# Altium PCB ArmMainControler.PcbDoc (part 1 of 2) (continued)
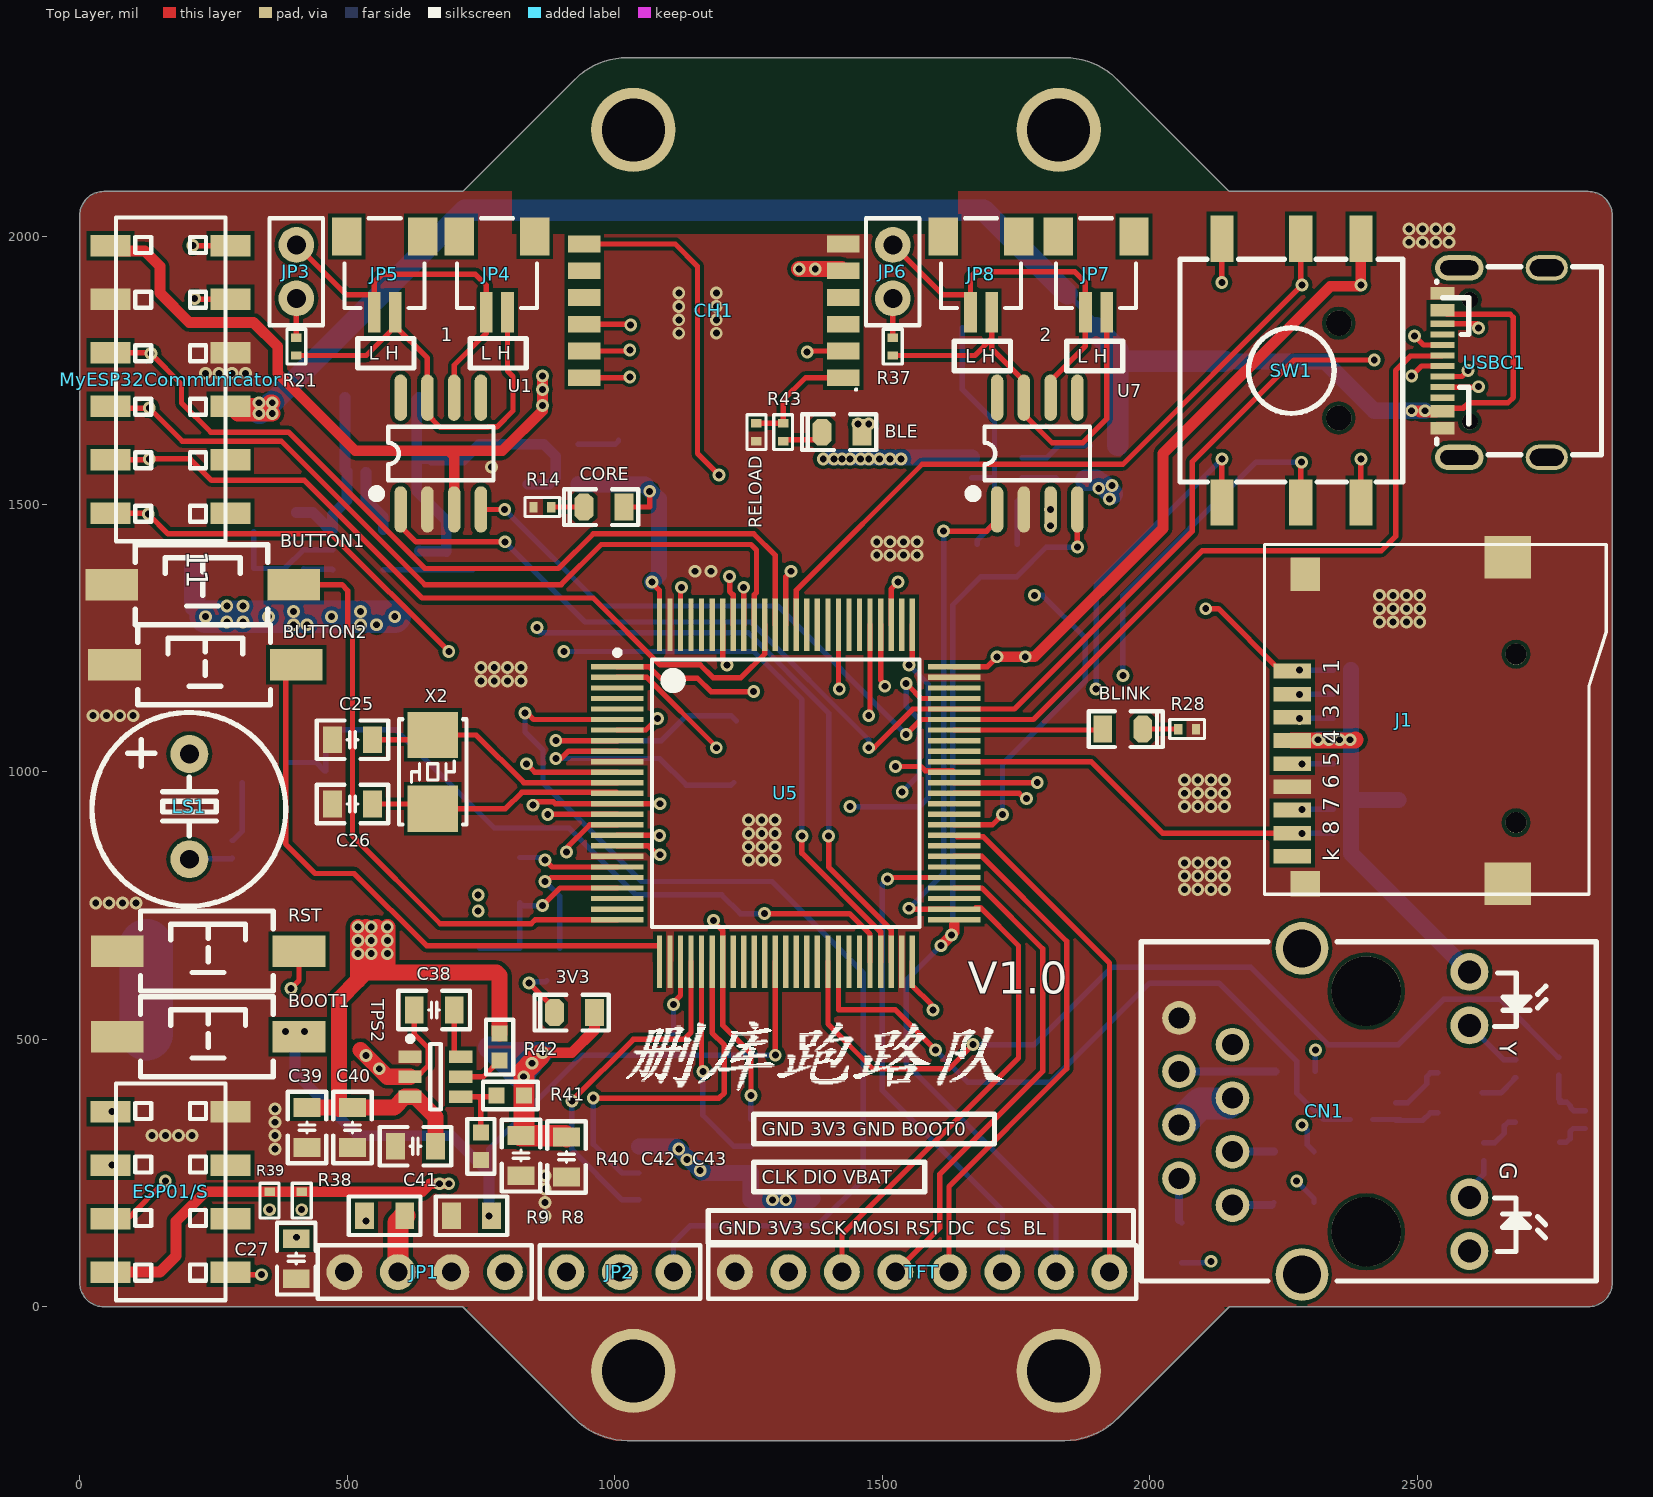
[diagram p0: Top Layer view]
## Components (designator, comment, footprint, x,y, rotation, side; value= is the part's Value field where it differs from the comment) (continued)
BLINK "BLINK" LED0805_G 1950,1080 r0 top (schematic designator LED1)
BOOT1 "3x6x5" "SW SMD-3*6*4.3" 240,505 r0 top
BUTTON1 "3x6x5" "SW SMD-3*6*4.3" 230,1350 r0 top (schematic designator SW2)
BUTTON2 "3x6x5" "SW SMD-3*6*4.3" 235,1200 r0 top (schematic designator SW3)
C1 "0.1uF" C0805_L 1370,240 r90 bottom
C2 "100uF" C1206_L 353,1232.91 r90 bottom
C3 "100uF" C1206_L 235,1232.91 r90 bottom
C4 "100uF" C1206_L 589,1232.91 r90 bottom
C5 "100uF" C1206_L 471,1232.91 r90 bottom
C6 "100pF" C0402_L 635,1395 r90 bottom
C7 "0.1uF" C0402_L 517.29,1560 r0 bottom
C8 "0.1uF" C0402_L 517.72,1510 r0 bottom
C9 "0.1uF" C0402_L 715,1565 r270 bottom
C10 "10uF" C0402_L 660,1565 r90 bottom
C11 "10uF/50V" C0603_L 325,1475 r270 bottom
C16 "0.1uF" C0805_L 795,1110 r180 bottom
C17 "0.1uF" C0805_L 795,1015 r180 bottom
C18 "0.1uF" C0805_L 710,670 r180 bottom
C19 "0.1uF" C0805_L 1070,510 r180 bottom
C20 "0.1uF" C0805_L 1635,550 r0 bottom
C21 "0.1uF" C0805_L 1805,1215 r0 bottom
C22 "0.1uF" C0805_L 1120,1425 r0 bottom
C23 "10pF" C0805_L 1265,1100 r180 bottom
C24 "10pF" C0805_L 1260,980 r180 bottom
C25 "10pF" C0805_L 510,1060 r0 top
C26 "10pF" C0805_L 510,940 r0 top
C27 "0.1uF" C0805_L 405,90 r90 top
C28 "0.1uF" C0402_L 1005,1555 r270 bottom
C29 "10uF" C0402_L 1055,1555 r270 bottom
C30 "10nF" C0402_L 1025,1620 r180 bottom
C31 "10uF" C0805_L 1405,1550 r90 bottom
C32 "10uF" C0805_L 1485,1550 r90 bottom
C33 "0.1uF" C0805_L 1565,1550 r90 bottom
C34 "0.1uF" C0805_L 1715,1425 r0 bottom
C35 "22uF" C0805_L 2140,1730 r270 bottom
C36 "22uF" C0805_L 2050,1730 r270 bottom
C37 "0.1uF" C0805_L 2465,910 r270 bottom
C38 "0.1uF" C0805_L 662.6,555 r0 top
C39 "10uF" C0805_L 425,335 r90 top
C40 "10uF" C0805_L 510,335 r90 top
C41 "0.1uF" C0805_L 627.6,300 r0 top
C42 "22uF" C0805_L 825,282.6 r270 top
C43 "22uF" C0805_L 910,280 r270 top
CH1 "CH9141-BLE-TPT-B" CH9141-BLE 1185,1861.76 r180 top
CN1 "HR911105A" RJ8-HR911105A 2326.46,365.2 r270 top
CORE "红色" LED0805_G 980,1495 r180 top
D1 "SS54" SMA 215,675 r0 bottom
D2 "SMBJ28CA" SMB 560,810 r180 bottom
D3 "二极管-5819W" SOD-323 405,1540 r270 bottom
D4 "二极管-5819W" SOD-323 270,1380 r0 bottom
ESP01/S "Header 4X2" HDR2.54-M-LS-2x4P 170,215 r90 top
J1 "TF_Card" "Micro SD" 2685,1062.52 r90 top
JP1 "HDR-1X4" HDR2.54-LI-4P 645,65 r180 top
JP2 "HDR-1X3" HDR2.54-LI-3P 1010,65 r180 top
JP3 "HDR-1X2" HDR2.54-LI-2P 405,1935 r90 top
JP4 "CON-2P" SH1.0-WT-2P 780,1930 r180 top
JP5 "CON-2P" SH1.0-WT-2P 570,1930 r180 top
JP6 "HDR-1X2" HDR2.54-LI-2P 1520,1935 r90 top
JP7 "CON-2P" SH1.0-WT-2P 1900,1930 r180 top
JP8 "CON-2P" SH1.0-WT-2P 1685,1930 r180 top
L1 "6.8uH" L-SMD-0420 565,1700 r0 bottom
L2 "3.3uH" L-SMD-0630 1775,1830 r0 bottom
L3 "2.2uH" L-SMD-0630 640,485 r0 bottom
LS1 "DC5V" "BEEP 5x9x5.5" 205,935 r180 top
MyESP32Communicator "Header 6X2" HDR2.54-M-LS-2x6P 170,1733.61 r270 top
Q1 "SS8050" SOT23-3N 2725,345 r180 bottom
Q2 "SS8050" SOT23-3N 2580,400 r0 bottom
Q3 "SS8050" SOT23-3N 345,980 r180 bottom
R1 "10K" R0402_L 685,1395 r90 bottom
R2 "1.8K" R0402_L 735,1395 r270 bottom
R3 "1M" R0402_L 401.73,1380 r180 bottom
R4 "1K" R0402_L 890,610 r180 bottom
R5 "0R" R0805_L 785,840 r0 bottom
R6 "0R" R0805_L 860,670 r180 bottom
R7 "0R" R0805_L 785,755 r0 bottom
R8 "10K" R0805_L 732.4,170 r0 top
R9 "10K" R0805_L 570,170 r0 top
R10 "0R" R0805_L 2270,195 r180 bottom
R11 "0R" R0805_L 2060,120 r90 bottom
R12 "0R" R0805_L 2270,290 r180 bottom
R13 "0R" R0805_L 2272.4,440 r180 bottom
R14 "1K" R0402_L 865,1495 r0 top
R15 "1K" R0402_L 2625,290 r90 bottom
R16 "1K" R0402_L 2685,445 r90 bottom
R17 "100K" R0402_L 2815,350 r90 bottom
R18 "100K" R0402_L 2460,365 r270 bottom
R19 "1K" R0402_L 2765,450 r270 bottom
R20 "1K" R0402_L 2400,350 r0 bottom
R21 "120R" R0402_L 405,1795 r90 top
R22 "1K" R0402_L 460,1061.73 r270 bottom
R23 "1K" R0402_L 285,855 r270 bottom
R24 "100K" R0402_L 460,985 r90 bottom
R25 "10K" R0603_L 1830,1635 r270 bottom
R26 "54.9K" R0603_L 1915,1610 r180 bottom
R27 "10K" R0603_L 1855,1545 r0 bottom
R28 "1K" R0402_L 2070,1080 r0 top
R29 "10K" R0402_L 2360,1190 r0 bottom
R30 "10K" R0402_L 2360,1145 r0 bottom
R31 "10K" R0402_L 2360,1100 r0 bottom
R32 "10K" R0402_L 2360,1015 r0 bottom
R33 "10K" R0402_L 2360,930 r0 bottom
R34 "10K" R0402_L 2360,885 r0 bottom
R35 "5.1K" R0402_L 2640,1835 r0 bottom
R36 "5.1K" R0402_L 2635,1720 r180 bottom
R37 "120R" R0402_L 1520,1795 r90 top
R38 "10K" R0402_L 415,198.27 r270 top
R39 "10K" R0402_L 355,198.27 r270 top
R40 "10K" R0603_L 750,300 r90 top
R41 "33.2K" R0603_L 805,395 r180 top
R42 "10K" R0603_L 785,485.59 r90 top
R43 "1K" R0402_L 1315,1635 r270 top
RELOAD "0" R0402_L 1265,1635 r90 top (schematic designator JP(NC))
RST "3x6x5" "SW SMD-3*6*4.3" 240,665 r0 top
SW1 "5KEY" "SW 10x10x9-5Key-LS" 2265,1750 r270 top
TFT "HDR-1X8" HDR2.54-M-LI-8P 1575,65 r180 top
TPS1 "TPS563201" SOT23-6N 1715,1550 r0 bottom
TPS2 "TPS563201" SOT23-6N 665,430 r0 top
U1 "SN65HVD232D" SOIC-8 675,1595 r90 top
U2 "W25Q128" SOIC-8 1150,275 r0 bottom
U3 "ME3116" SOT23-6 520,1415 r180 bottom
U5 "CH32V307V" LQFP100 1320,960 r0 top
U6 "LP2992" SOT23-5 885,1575 r0 bottom
U7 "SN65HVD232D" SOIC-8 1790,1595 r90 top
USBC1 "TYPE-C 2.0 -16P" USB-C-SMD_TYPE-C-USB-5 2645,1765 r90 top
X1 "32.768KHz 12.5pF" XTAL-3215-2P 1140,1040 r90 bottom
X2 "8MHz" XTAL-5032-2P 660,1000 r90 top

## Footprints (in the part's own frame and the unit in brackets; to place one, negate y for a bottom-side part, rotate by r counter-clockwise, add the part's x,y. Pads: shape width x height; smd on the part's side, far side on the other; paste and mask are expansions set on the pad)
"BEEP 5x9x5.5" [mm] "5*9*5.5mm(脚距,直径,高度)        淘宝ID:黄晶宝石"
  round 1.8 hole 0.9: 1(0,-2.5) 2(0,2.5)
  silkscreen extent -4.58,-4.47 4.62,4.72, body extent -4.5,-4.5 4.5,4.5, height 5.45
C0402_L [mm] "贴片MLCC电容"
  rect 0.4x0.5 smd: 1(-0.45,0) 2(0.45,0)
  silkscreen extent -0.85,-0.45 0.85,0.45, body extent -0.5,-0.26 0.5,0.26, height 0.54
C0603_L [mil] "贴片MLCC电容"
  rect 30x30 smd: 1(-25.59,0) 2(25.59,0)
  silkscreen extent -51,-26 51,26, body extent -31,-16 31,16, height 33
C0805_L [mil] "贴片MLCC电容"
  rect 35x50 smd: 1(-37.4,0) 2(37.4,0)
  silkscreen extent -67,-36 67,36, body extent -39,-24 39,24, height 22
C1206_L [mil] "贴片MLCC电容"
  rect 55x62 smd: 1(-55.12,0) 2(57.09,0)
  silkscreen extent -96,-44 98,44, body extent -63,-32 63,32, height 50
CH9141-BLE [mm] "Chip Array, Flat, 12-Leads, Pitch 1.27mm,  Body 9.07x12.84mm,  IPC Medium Density"
  rect 1.55x0.8 smd: 1(-6.15,3.175) 2(-6.15,1.905) 3(-6.15,0.635) 4(-6.15,-0.635) 5(-6.15,-1.905) 6(-6.15,-3.175) 7(6.15,-3.175) 8(6.15,-1.905) 9(6.15,-0.635) 10(6.15,0.635) 11(6.15,1.905) 12(6.15,3.175)
  silkscreen extent -6.81,3.69 -6.71,3.79, body extent -6.47,-4.53 6.47,4.53, height 0.85
HDR2.54-LI-2P [mm] "排针，2脚                         联系卖家 免费查找封装"
  round 1.7 hole 0.9: 1(-1.27,0) 2(1.27,0)
  silkscreen extent -2.54,-1.27 2.54,1.27, body extent -2.54,-1.27 2.54,1.27, height 2.54
HDR2.54-LI-3P [mm] "排针，3脚                        联系卖家 免费查找封装"
  round 1.7 hole 0.9: 1(-2.54,0) 2(0,0) 3(2.54,0)
  silkscreen extent -3.81,-1.27 3.81,1.27, body extent -3.81,-1.27 3.81,1.27, height 2.54
HDR2.54-LI-4P [mm] "排针，4脚"
  round 1.7 hole 0.9: 1(-3.81,0) 2(-1.27,0) 3(1.27,0) 4(3.81,0)
  silkscreen extent -5.08,-1.27 5.08,1.27, body extent -5.08,-1.27 5.08,1.27, height 2.54
HDR2.54-M-LI-8P [mm] "排母，8脚"
  round 1.7 hole 0.9: 1(-8.89,0) 2(-6.35,0) 3(-3.81,0) 4(-1.27,0) 5(1.27,0) 6(3.81,0) 7(6.35,0) 8(8.89,0)
  silkscreen extent -10.16,-1.27 10.16,1.27, body extent -10.16,-1.27 10.16,1.27, height 8.5
HDR2.54-M-LS-2x4P [mm] "脚距：2.54mm，贴片双排母"
  rect 1.02x1.9 smd: 1(-3.81,2.85) 2(-3.81,-2.85) 3(-1.27,2.85) 4(-1.27,-2.85) 5(1.27,2.85) 6(1.27,-2.85) 7(3.81,2.85) 8(3.81,-2.85)
  silkscreen extent -5.15,-2.6 5.14,2.6, body extent -5.11,-3.2 5.11,3.2, height 5.15
HDR2.54-M-LS-2x6P [mm] "脚距：2.54mm，贴片双排母"
  rect 1.02x1.9 smd: 1(-6.35,2.85) 2(-6.35,-2.85) 3(-3.81,2.85) 4(-3.81,-2.85) 5(-1.27,2.85) 6(-1.27,-2.85) 7(1.27,2.85) 8(1.27,-2.85) 9(3.81,2.85) 10(3.81,-2.85) 11(6.35,2.85) 12(6.35,-2.85)
  silkscreen extent -7.69,-2.6 7.68,2.6, body extent -7.65,-3.2 7.65,3.2, height 5.15
L-SMD-0420 [mm] "一体化成型电感                联系卖家 免费查找封装"
  rect 1.5x2.5 smd: 1(-1.75,0) 2(1.75,0)
  silkscreen extent -2.16,-2.16 2.16,2.16, body extent -2.25,-2.05 2.25,2.05
L-SMD-0630 [mm] "一体化成型电感"
  rect 3x3.5 smd: 1(-3.175,0) 2(3.175,0)
  silkscreen extent -3.66,-3.48 3.66,3.48, body extent -3.47,-3.3 3.48,3.3
LED0805_G [mil] "绿色0805LED            联系卖家 免费查找封装"
  rect 35x50 smd: 1(-37.4,0)
  oct 35x50 smd: 2(37.4,0)
  silkscreen extent -64,-33 75,33, body extent -39,-25 39,25, height 32
LQFP100 [mm] "TSQFP, 100-Leads, Body 16.0x16.0mm (max), Pitch 0.50mm, IPC Medium Density"
  rect 2.5x0.254 smd: 1(-8,6) 2(-8,5.5) 3(-8,5) 4(-8,4.5) 5(-8,4) 6(-8,3.5) 7(-8,3) 8(-8,2.5) 9(-8,2) 10(-8,1.5) 11(-8,1) 12(-8,0.5) 13(-8,0) 14(-8,-0.5) 15(-8,-1) 16(-8,-1.5) 17(-8,-2) 18(-8,-2.5) 19(-8,-3) 20(-8,-3.5) 21(-8,-4) 22(-8,-4.5) 23(-8,-5) 24(-8,-5.5) 25(-8,-6) 51(8,-6) 52(8,-5.5) 53(8,-5) 54(8,-4.5) 55(8,-4) 56(8,-3.5) 57(8,-3) 58(8,-2.5) 59(8,-2) 60(8,-1.5) 61(8,-1) 62(8,-0.5) 63(8,0) 64(8,0.5) 65(8,1) 66(8,1.5) 67(8,2) 68(8,2.5) 69(8,3) 70(8,3.5) 71(8,4) 72(8,4.5) 73(8,5) 74(8,5.5) 75(8,6)
  rect 0.254x2.5 smd: 26(-6,-8) 27(-5.5,-8) 28(-5,-8) 29(-4.5,-8) 30(-4,-8) 31(-3.5,-8) 32(-3,-8) 33(-2.5,-8) 34(-2,-8) 35(-1.5,-8) 36(-1,-8) 37(-0.5,-8) 38(0,-8) 39(0.5,-8) 40(1,-8) 41(1.5,-8) 42(2,-8) 43(2.5,-8) 44(3,-8) 45(3.5,-8) 46(4,-8) 47(4.5,-8) 48(5,-8) 49(5.5,-8) 50(6,-8) 76(6,8) 77(5.5,8) 78(5,8) 79(4.5,8) 80(4,8) 81(3.5,8) 82(3,8) 83(2.5,8) 84(2,8) 85(1.5,8) 86(1,8) 87(0.5,8) 88(0,8) 89(-0.5,8) 90(-1,8) 91(-1.5,8) 92(-2,8) 93(-2.5,8) 94(-3,8) 95(-3.5,8) 96(-4,8) 97(-4.5,8) 98(-5,8) 99(-5.5,8) 100(-6,8)
  silkscreen extent -8.12,-6.35 6.35,6.8
"Micro SD" [mm] "淘宝ID:黄晶宝石"
  round 1 hole 1 unplated: 0(-4,0) 0(4,0)
  rect 0.7x1.8 smd: 1(3.2,10.627) 2(2.1,10.627) 3(1,10.627) 4(-0.1,10.627) 5(-1.2,10.627) 6(-2.3,10.627) 7(-3.4,10.627) 8(-4.5,10.627) 9(-5.6,10.627)
  rect 2.032x2.2 smd: 10(-6.9,0.4) 10(8.6,0.4)
  rect 1.2x1.4 smd: 10(-6.9,10)
  rect 1.6x1.4 smd: 10(7.8,10)
  silkscreen extent -7.4,-4.28 9.2,11.94, body extent -7.05,-3.87 8.95,11.38, height 2
R0402_L [mm] "1/16W贴片电阻"
  rect 0.4x0.5 smd: 1(-0.425,0) 2(0.425,0)
  silkscreen extent -0.82,-0.45 0.83,0.45, body extent -0.5,-0.25 0.5,0.25, height 0.3
R0603_L [mil] "1/10W贴片电阻"
  rect 30x30 smd: 1(-25.59,0) 2(25.59,0)
  silkscreen extent -51,-26 51,26, body extent -31,-16 31,16, height 16
R0805_L [mil] "1/8W贴片电阻"
  rect 35x50 smd: 1(-37.4,0) 2(37.4,0)
  silkscreen extent -67,-36 67,36, body extent -39,-25 39,25, height 20
RJ8-HR911105A [mm] "网线接口"
  round 3.3 hole 3.3 unplated: 0(-5.715,1.995) 0(5.715,1.995)
  round 1.6 hole 1: 1(4.45,-4.355) 2(3.18,-6.895) 3(1.91,-4.355) 4(0.64,-6.895) 5(-0.63,-4.355) 6(-1.9,-6.895) 7(-3.17,-4.355) 8(-4.44,-6.895)
  round 1.8 hole 1.1: 9(6.625,6.895) 10(4.085,6.895) 11(-4.085,6.895) 12(-6.625,6.895)
  round 2.5 hole 1.8: 13(-7.745,-1.055) 14(7.745,-1.055)
  silkscreen extent -8.05,-8.68 8.05,12.91, body extent -8,-8.58 7.88,12.82, height 1.5
SH1.0-WT-2P [mm] "SH1.0连接器-卧贴-2P                联系卖家 免费查找封装"
  rect 1.4x1.8 smd: 0(-1.8,-1.8) 0(1.8,-1.8)
  rect 0.6x1.9 smd: 1(0.5,1.8) 2(-0.5,1.8)
  silkscreen extent -1.9,-2.67 1.9,1.6, body extent -2,-2.67 2,2.28, height 2.9
SMA [mm] "4.5x2.6*2.2mm（长宽高，不包括引脚）联系卖家 免费查找封装"
  rect 2.2x1.75 smd: 1(-2.3,0) 2(2.3,0)
  silkscreen extent -2.7,-1.52 3.56,1.52, body extent -2.55,-1.3 2.55,1.3, height 2.15
SMB [mm] "DO-214-AA/SMB; 2 C-Bend Leads; Body 5.3 x 3.6 mm, inc. leads (LxW)"
  rect 2.3x2.3 smd: 1(-2.25,0) 2(2.25,0)
  silkscreen extent -3.8,-1.55 4.1,1.55
SOD-323 [mm] "1.8x1.3X0.9mm（长宽高，不包括引脚）联系卖家 免费查找封装"
  rect 1x0.8 smd: 1(-1.4,0)
  oct 1x0.8 smd: 2(1.4,0)
  silkscreen extent -2.11,-0.76 2.11,0.76, body extent -1.32,-0.65 1.32,0.65, height 0.95
SOIC-8 [mm]
  oval 2.2x0.6 smd: 1(-2.654,1.905) 2(-2.654,0.635) 3(-2.654,-0.635) 4(-2.654,-1.905) 5(2.654,-1.905) 6(2.654,-0.635) 7(2.654,0.635) 8(2.654,1.905)
  silkscreen extent -2.06,-2.5 1.27,3.2, body extent -3,-2.5 3,2.5, height 1.9
SOT23-3N [mm] "SOT23, 3-Leads, Body 2.9x1.3mm, Pitch 0.95mm, Lead Span 2.4mm, IPC Medium Density"
  rect 1.3x0.6 smd: 1(-1.05,0.95) 2(-1.05,-0.95) 3(1.05,0)
  silkscreen extent -1.18,-1.5 0.7,1.92, body extent -1.2,-1.5 1.2,1.5, height 1.05
SOT23-5 [mm] "SOT23, 5-Leads, Body 2.9x1.6mm, Pitch 0.95mm, IPC Medium Density                联系卖家 免费查找封装"
  rect 1.05x0.6 smd: 1(-1.2,0.95) 2(-1.2,0) 3(-1.2,-0.95) 4(1.2,-0.95) 5(1.2,0.95)
  silkscreen extent -1.32,-1.55 0.3,1.92, body extent -1.4,-1.5 1.4,1.5, height 1.15
SOT23-6 [mm] "SOT-23, 6-Leads, Body 2.90x1.60mm, Pitch 0.95mm, IPC High Density"
  rect 0.9x0.6 smd: 1(-1.2,0.95) 2(-1.2,0) 3(-1.2,-0.95) 4(1.2,-0.95) 5(1.2,0) 6(1.2,0.95)
  silkscreen extent -1.33,-1.55 0.35,1.92, body extent -1.4,-1.5 1.4,1.5, height 1.15
SOT23-6N [mm] "SOT-23, 6-Leads, Body 2.90x1.60mm, Pitch 0.95mm, IPC Medium Density"
  rect 1.1x0.6 smd: 1(-1.2,0.95) 2(-1.2,0) 3(-1.2,-0.95) 4(1.2,-0.95) 5(1.2,0) 6(1.2,0.95)
  silkscreen extent -1.32,-1.55 0.25,1.92, body extent -1.4,-1.5 1.4,1.5, height 1.15
"SW 10x10x9-5Key-LS" [mm] "6脚，长：10.5，宽：10，高：9mm"
  round 1.2 hole 1.2: 0(-2.25,2.25) 0(2.25,2.25)
  rect 2.2x1.1 smd: 1(-6.262,3.3) 2(-6.262,0.45) 3(-6.262,-3.3) 4(6.262,-3.3) 5(6.262,0.45) 6(6.262,3.3)
  silkscreen extent -5.29,-5.29 5.29,5.29, body extent -6.5,-5.16 6.5,5.16, height 0.15
"SW SMD-3*6*4.3" [mm] "3*6*4.3mm                                 淘宝ID:黄晶宝石"
  rect 2.5x1.5 smd: 1(-4.318,0) 2(4.318,0)
  silkscreen extent -3.21,-1.9 3.09,1.9, body extent -4.6,-1.75 4.6,1.75, height 4.4
USB-C-SMD_TYPE-C-USB-5 [mm]
  oval 1.2x2 hole 0.8 slot 1.6 at 90 deg: 0(-4.5,-2.475) 0(4.5,-2.475)
  oval 1.2x2.3 hole 0.7 slot 1.8 at 90 deg: 0(-4.5,1.675) 0(4.5,1.675)
  rect 0.3x1.15 smd: A1(-3.263,2.473) A4(-2.462,2.471) A5(-1.162,2.475) A6(-0.162,2.475) A7(0.337,2.473) A9(2.638,2.475) A12(3.438,2.475) B1(3.138,2.475) B4(2.337,2.475) B5(1.838,2.475) B6(0.838,2.475) B7(-0.663,2.473) B9(-2.162,2.471) B12(-2.963,2.473)
  rect 0.3x1.148 smd: A8(-1.663,2.475) B8(1.337,2.475)
  round 0.75 hole 0.75 unplated: ""(-2.803,1.175) ""(2.978,1.175)
  silkscreen extent -4.38,-5.08 4.56,2.75, body extent -4.34,-5.14 4.6,2.76, height 3.25
XTAL-3215-2P [mm] "3.2*1.5*0.6mm(长宽高)"
  rect 1.2x1.5 smd: 1(-1.65,0) 2(1.65,0)
  silkscreen extent -2.41,-0.89 2.41,0.89, body extent -1.6,-0.75 1.6,0.75, height 0.61
XTAL-5032-2P [mm] "5mm*3.2mm*0.8mm(长*宽*高)"
  rect 2.2x2.4 smd: 1(-1.75,0) 2(1.75,0)
  silkscreen extent -2.5,-1.6 2.5,1.6, body extent -2.5,-1.6 2.5,1.6, height 0.86

## Part data
3V3 BLE BLINK CORE: library part LED-SMD, "贴片LED"
BOOT1 BUTTON1 BUTTON2 RST: library part SW-PB, "微动开关"
C1 C2 C3 C4 C5 C6 C7 C8 C9 C10 C16 C17 C18 C19 C20 C21 C22 C23 C24 C25 C26 C27 C28 C29 C30 C31 C32 C33 C34 C35 C36 C37 C38 C39 C40 C41 C42 C43: library part C, "贴片电容/MLCC电容"
C11: library part C, "陶瓷电容"
CH1: library part CH9141-BLE-TPT
CN1: "带灯以太网接口"
D1: library part Diode_SMA, "Diode"
D3 D4: "40V"
ESP01/S: "4*2P接插件"
J1: "TF卡座"
JP1: library part "Header 4", "4P接插件"
JP2: library part "Header 3", "3P接插件"
JP3 JP6: library part "Header 2", "2P接插件"
JP4 JP5 JP7 JP8: library part "Header 2", "2P连接器"
L1: library part "L-Molding Choke", "一体成型电感"
L2 L3: library part L, "贴片小功率电感"
LS1: library part BEEP, "蜂鸣器"
MyESP32Communicator: library part "Header  6X2", "6*2P接插件"
Q1 Q2 Q3: library part 8050-SMD, "高频放大-NPN型"
R1 R2 R3 R4 R5 R6 R7 R8 R9 R10 R11 R12 R13 R14 R15 R16 R17 R18 R19 R20 R21 R22 R23 R24 R25 R26 R27 R28 R29 R30 R31 R32 R33 R34 R35 R36 R37 R38 R39 R40 R41 R42 R43 RELOAD: library part R, "贴片电阻"
SW1: library part five_key
TFT: library part "Header 8", "8P接插件"
TPS1 TPS2: library part tps
U1 U7: Manufacturer="Texas Instruments", Manufacturer Part Number=SN65HVD232DR, Operating Temperature="-40°C ~ 85°", Package / Case="8-SOIC (0.154\", 3.90mm Width)", Supplier Device Package=8-SOIC, Supplier Part Number 1=296-26344-2-ND, Voltage - Supply="3 V ~ 3.6 V", Category="Integrated Circuits (ICs)", ComponentLink1Description=http://www.ti.com/lit/ds/symlink/sn65hvd230.pdf, ComponentLink1URL=http://www.ti.com/lit/ds/symlink/sn65hvd230.pdf, Data Rate=1Mbps, Duplex=Half, Mounting Type="Surface Mount", Number of Drivers/Receivers=1/1, Packaging="Tape & Reel (TR)", Part Status=Active, Pricing 1="2500=0.84375 (USD)", Pricing 2="1=2.05, 10=1.842, 100=1.4809, 500=1.21668, 1000=1.00811 (USD)", Protocol=CAN, RoHS="RoHS Compliant", Stock=5000, Supplier 1=Digi-Key, Supplier 2=Digi-Key, Supplier Part Number 2=296-26344-1-ND, Type=Transceiver
U2: library part MyDesign
U5: "RISC-V FPU HD-MCU, 144MHz, USB_480M, USB OTG, 1000M Ethernet MAC, 2*CAN, FSMC+DVP"
USBC1: library part "USB2.0 Type-C 16Pin母座", "USB2.0 Type-C 母座 16Pin", BOM_Manufacturer=LCSC, BOM_Manufacturer Part=-, BOM_Supplier=LCSC, spicePre=U, spiceSymbolName="TYPE-C 3.1 -16P_C168689"
X1 X2: library part XTAL-2P, "2脚无源晶振(谐振器）"

## Free pads (board coordinates)
  round 157.48 hole 118.11: ""(1035,-120) ""(1035,2200) ""(1830,-120) ""(1830,2200)

## Via types
v1: diameter 24, hole 13, Top Layer to Bottom Layer, tented both sides, 288 vias

## Nets (pads, with @x,y where several pads share a name; then routed paths per layer and width w, separated by ;. In a path a pad name is that pad's centre, name@x,y a point inside that pad or via, vN(x,y) a via of type N, cw(c..) or ccw(c..) an arc to the next point about the centre after c; other vN are vias at no path point)
3V3: 3V3.1 BLE.1 C1.1 C37.1 C42.1 C43.1 CH1.5 CN1.4 CN1.5 CN1.9 CN1.12 ESP01/S.1 J1.4 L3.2 MyESP32Communicator.2 R29.2 R30.2 R31.2 R32.2 R33.2 R34.2 R38.1 R39.1 R41.1 TFT.7 U1.3 U2.3 U2.7 U2.8 U7.3 | length 9947.9
  Top Layer w10: v1@860,470 v1(865,475) ; 3V3.1@962.4,542.5 3V3.1@962.4,550
  Top Layer w20: ESP01/S.1@57.8,65 150,65 180,95 180,160 235,215 R39.1@355,215 R38.1@415,215 640,215 655,230 v1(672.5,230) v1(690,230) ; MyESP32Communicator.2@57.8,1983.61 67.87,1973.53 121.47,1973.53 150,1945 150,1895 205,1840 325,1840 370,1795 370,1745 515,1600 690,1600 ; U1.3@700,1490.51 700,1590 690,1600 ; v1(865,475) 920,475 962.4,517.41 3V3.1@962.4,542.5 ; v1(865,1740) v1(865,1715) v1(865,1685) 865,1675 790,1600 690,1600
  Top Layer w30: v1(1345,1940) v1(1375,1940) 1423.88,1940 CH1.5@1427.13,1936.76 ; J1.4@2266.61,1058.58 2383.58,1058.58 v1@2385,1060
  Top Layer w40: v1@860,470 v1(845.3,455.3) 830.59,440.59 R41.1@830.59,395 830.59,325.59 C42.1@825,320 907.4,320 C43.1@910,317.41
  GND w30: v1(865,1740) v1(865,1715) v1(865,1685) 1155,1685 1250,1780 1250,1865 1320,1935 1405,1935 1425,1915 1425,1675 1450,1650 v1(1455,1650) v1(1475,1650) 1930,1650 2145,1435 ; v1(1815,1460) 1845.51,1460 ; v1(1815,1490.51) 1845.51,1460 ; v1(2375,1060) v1(2355,1060) v1(2335,1060) v1(2315,1060) 2225,1060 2145,1140 2145,1435 ; 1845.51,1460 1894.39,1460 1919.39,1435 2145,1435
  GND w40: v1(672.5,230) v1(690,230) 785,230 830,275 830,295 ; v1(865,475) v1(845.3,455.3) 830,440 v1(830,430) 830,295 ; TFT.7@1325,65 1335.89,75.89 1335.89,105.89 1430,200 ; CN1.9@2597.91,104.37 2425,277.28 2425,425 ; CN1.12@2597.91,626.03 2505.63,533.75 2505.63,505.63 2425,425 ; 830,295 v1(1120,295) v1(1160,255) 1215,200 v1(1295,200) v1(1320,200) 1430,200 ; 1430,200 1570,340 CN1.4@2055,340 2065.14,350.14 2115.14,350.14 CN1.5@2155,390 2205,390 2240,425 2425,425
  Bottom Layer w30: U2.3@1045.51,300 1115,300 1165,250 U2.7@1254.49,250 U2.8@1254.49,200 1367.4,200 C1.1@1370,202.6 ; v1(2315,1060) v1(2335,1060) v1(2355,1060) v1(2375,1060) v1@2376.73,1060 ; R29.2@2376.73,1190 R30.2@2376.73,1145 R31.2@2376.73,1100 v1@2376.73,1060 ; C37.1@2465,947.4 2379.33,947.4 2376.73,950 ; CN1.12@2597.91,626.03 2376.73,847.2 R34.2@2376.73,885 R33.2@2376.73,930 2376.73,950 ; 2376.73,950 R32.2@2376.73,1015 v1@2376.73,1060
  Bottom Layer w40: L3.2@793.16,455.89 844.7,455.89 v1(845.3,455.3) ; L3.2@793.16,455.89 819.06,430 v1(830,430) 832.68,432.68 832.68,438.89 845.3,451.51 v1(845.3,455.3) ; L3.2@793.16,455.89 765,484.06 L3.2@765,485 775,475 v1(865,475) v1(845.3,455.3)
  Bottom Layer w60: CN1.4@2055,340 2094.86,379.86 2144.86,379.86 CN1.5@2155,390
  other v1: 1135,275
3V3_core: C17.1 C19.1 C20.1 C21.1 C22.1 C28.2 C29.2 CORE.1 JP1.3 R7.1 R9.2 SW1.1 U5.11 U5.28 U5.50 U5.75 U5.100 U6.5 | length 5652.2
  Top Layer w10: v1(835,1015) 850.63,999.37 U5.11@1005.04,999.37 ; CORE.1@1017.4,1495 1065,1495 1065.53,1495.53 v1(1065.53,1524.47) ; v1(1070,1355) 1070,1352.95 1083.78,1339.17 U5.100@1083.78,1274.96 ; v1(1110,565) 1110,568.79 1123.15,581.94 U5.28@1123.15,645.04 ; U5.50@1556.22,645.04 1556.22,600.83 1592.32,564.73 1592.32,557.68 v1(1595,555) ; U5.75@1634.96,1196.22 1696.22,1196.22 v1(1715,1215)
  Top Layer w20: v1(1715,1215) 1785,1215 2025,1455 2025,1595 2338,1908 2392.84,1908 v1@2394.92,1910.08 ; SW1.1@2394.92,1996.54 v1@2394.92,1910.08 ; v1(2395,1910) v1@2394.92,1910.08
  Top Layer w40: JP1.3@595,65 595,157.6 R9.2@607.4,170
  GND w30: JP1.3@595,65 625,95 625,455.81 810,640.81 ; v1(835,1015) 810,990 810,885 ; v1(1070,1355) 1070,1285 ; v1(1595,555) 1585,565 v1(1110,565) 1034.19,640.81 810,640.81 ; v1(1715,1215) 1645,1285 1070,1285 ; 810,640.81 810,740 ; 810,740 v1(745,740) v1(745,770) 810,770 ; 810,740 810,770 ; 810,770 810,885 ; 810,885 935,885 1000,950 1000,1082.5 1070,1152.5 1070,1285
  Bottom Layer w10: C19.1@1107.4,510 1110,512.59 v1(1110,565) ; v1(1715,1215) v1(1767.59,1215)
  Bottom Layer w30: U6.5@932.24,1537.6 932.4,1537.44 C28.2@1004.85,1537.44 ; C28.2@1005,1537.29 C28.2@1004.85,1537.44 ; v1(1070,1355) 1082.6,1367.6 C22.1@1082.6,1425 1082.6,1509.69 1059.85,1532.44 1059.85,1534.41 1056.97,1537.29 C29.2@1055,1537.29 1054.85,1537.44 C28.2@1004.85,1537.44
5V: C35.1 C36.1 L2.2 LS1.1 MyESP32Communicator.7 R26.1 USBC1.A4 USBC1.A9 USBC1.B4 USBC1.B9 | length 4274.6
  Top Layer w10: USBC1.B4@2547.56,1857.03 2547.56,1862.94 ; USBC1.A9@2547.56,1868.85 2547.56,1862.94 ; USBC1.A4@2547.72,1668.06 USBC1.B9@2547.72,1679.87 2586.09,1679.87 2596.22,1690 2670,1690 2680,1700 2680,1849.6 2674.14,1855.46 2555.03,1855.46 2547.56,1862.94
  Top Layer w20: v1(2490,1675) 2502.5,1675 ; v1(2515,1675) 2502.5,1675 ; USBC1.A4@2535.08,1672.15 2505.35,1672.15 2502.5,1675
  Top Layer w30: v1(360,1670) v1(335,1670) 295.81,1670 MyESP32Communicator.7@282.2,1683.61 349.82,1683.61 356.21,1690 v1(360,1690)
  GND w30: LS1.1@205,1033.43 205,1105 85,1225 85,1320 335,1570 v1(335,1670) ; v1(360,1670) v1(335,1670) ; v1(360,1690) v1(335,1690) v1(335,1670)
  Bottom Layer w10: L2.2@1845.94,1893.9 1900,1839.84 L2.2@1900,1830
  Bottom Layer w30: C35.1@2140,1767.41 2327.59,1767.41 2420,1675 v1(2490,1675) v1(2515,1675)
  Bottom Layer w40: v1(335,1670) 337.5,1670 357.5,1690 v1(360,1690) 720,2050 1689.84,2050 L2.2@1845.94,1893.9 ; R26.1@1940.59,1610 L2.2@1940.59,1780.87 ; C35.1@2140,1767.41 C36.1@2050,1767.41 1954.06,1767.41 L2.2@1940.59,1780.87 ; L2.2@1940.59,1780.87 1940.59,1789.41 L2.2@1900,1830 1900,1821.46 L2.2@1940.59,1780.87
5V_core: C6.2 C9.1 C10.2 L1.2 R1.2 U6.1 U6.3 | length 744.9
  Bottom Layer w20: L1.2@633.9,1700 630,1696.1 630,1585 ; C6.2@635,1412.71 635.49,1412.22 684.51,1412.22 R1.2@685,1411.73 685,1470 630,1525 630,1585 ; C10.2@658.03,1582.71 C10.2@660,1582.71 ; U6.1@837.76,1537.6 877.6,1537.6 890,1550 890,1590 867.6,1612.4 U6.3@837.76,1612.4 746.65,1612.4 716.97,1582.72 C9.1@715,1582.72 C10.2@660,1582.71 ; 630,1585 657.71,1585 C10.2@660,1582.71
BLE-AT: CH1.7 U2.5 U5.32 | length 1990.3
  Top Layer w10: CH1.7@942.87,1986.76 1113.24,1986.76 1155,1945 1155,1595 v1(1195,1555) ; v1(1185,722.5) 1185,720 1201.89,703.11 U5.32@1201.89,645.04 1201.89,526.36 1255,473.25 v1(1255,395)
  Signal w10: v1(1185,722.5) 1135,772.5 1135,1110 1045,1200 1045,1405 v1(1195,1555)
  Bottom Layer w10: U2.5@1254.49,350 1254.49,394.49 v1(1255,395)
BLE-RST: C27.2 CH1.12 R9.1 RST.2 U5.14 | length 2654.9
  Top Layer w10: v1(395,595) 410,610 RST.2@410,665 ; v1(847.66,937.66) 854,944 884.94,944 888.63,940.32 U5.14@1005.04,940.32 v1(1084.68,940.32) v1@1085,940 ; CH1.12@942.87,1736.76 1026.76,1736.76 v1(1028.38,1738.38) v1@1030,1740
  Signal w10: v1(395,595) 420,620 420,760 597.66,937.66 v1(847.66,937.66) ; v1(1028.38,1738.38) 995,1705 995,1030 v1(1084.68,940.32)
  GND w10: v1(395,595) 310,510 310,155 335,130 v1(405,130) 505,130 v1(535,160)
BLE-RX: CH1.11 U5.17 | length 1220.1
  Top Layer w10: CH1.11@942.87,1786.76 1026.76,1786.76 v1(1028.38,1788.38) v1@1030,1790 ; U5.17@1005.04,881.26 v1(1083.74,881.26) v1@1085,880
  Signal w10: v1(1028.38,1788.38) 988.38,1788.38 970,1770 970,910.86 999.6,881.26 v1(1083.74,881.26)
BLE-SLEEP: CH1.2 U5.7 | length 995.5
  Top Layer w10: U5.7@1005.04,1078.11 1058.11,1078.11 v1@1075,1095 ; v1(1360,1785) 1361.76,1786.76 CH1.2@1427.13,1786.76
  Signal w10: v1(1080,1100) 1020,1160 1020,1445 v1(1360,1785)
BLE-TX: CH1.10 U5.18 | length 1318.9
  Top Layer w10: CH1.10@942.87,1836.76 1028.24,1836.76 v1(1030,1835) ; U5.18@1005.04,861.58 1063.42,861.58 1080,845 v1(1085,845)
  Signal w10: v1(1030,1835) 1000,1835 945,1780 945,910.86 1010.86,845 v1(1085,845)
BOOT0: JP1.1 U5.94 | length 1458.8
  Top Layer w10: U5.94@1201.89,1274.96 1201.89,1208.11 v1(1210,1200)
  Signal w10: JP1.1@795,65 795,320 1016,541 1136,541 1214,619 1214,1196 v1(1210,1200)
BOOT1: BOOT1.2 R8.2 U5.37 | length 1460.8
  Top Layer w10: v1@1300,470 v1(1300.32,470.31) U5.37@1300.32,645.04
  Bottom Layer w10: 765,250 765,295 940.32,470.31 v1(1300.32,470.31)
  Bottom Layer w20: v1(385,515) 402.5,515 ; v1(420,515) 402.5,515 ; v1(765,170) 765,250 695,320 520,320 402.5,437.5 402.5,515
CAN_H1: JP4.2 JP5.2 R21.1 U1.7 | length 795.5
  Top Layer w10: R21.1@405,1778.27 535.63,1778.27 582.87,1825.51 582.87,1826.73 JP5.2@589.68,1833.54 ; JP5.2@589.68,1859.13 JP5.2@589.68,1833.54 ; JP4.2@799.68,1859.13 799.68,1749.43 810,1739.11 810,1675 780,1645 765,1645 764.18,1644.18 673.81,1644.18 650,1667.99 U1.7@650,1699.49 650,1773.23 JP5.2@589.68,1833.54